# Altium PCB Motor_Controller_v2_1b.PcbDoc (part 1 of 2)
Units mil, origin at the board's own origin, x right, y up, seen from the top; angles counter-clockwise.
Board outline 5876 x 2101 mil, 2 copper layers (Top Layer, Bottom Layer); 253 components, 185 nets, 846 pads, 165 vias.
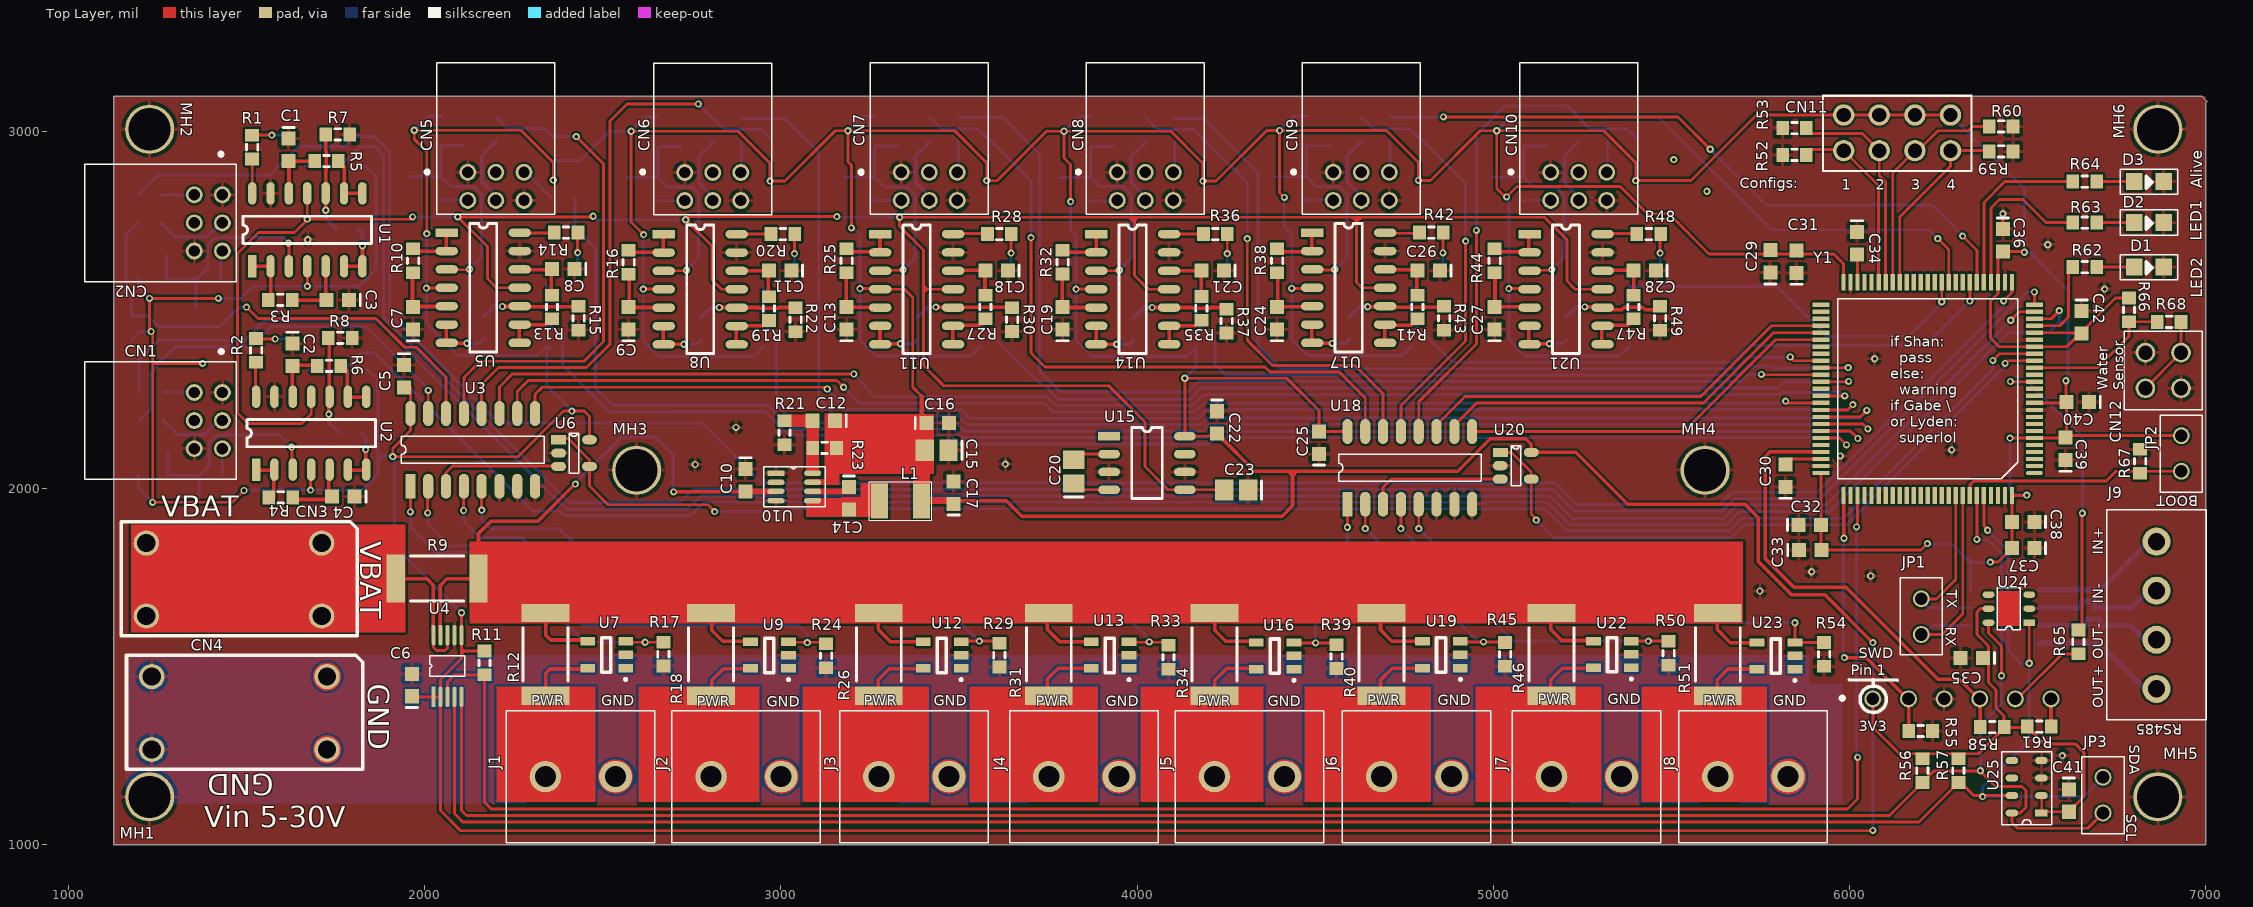
[diagram p0: Top Layer view]
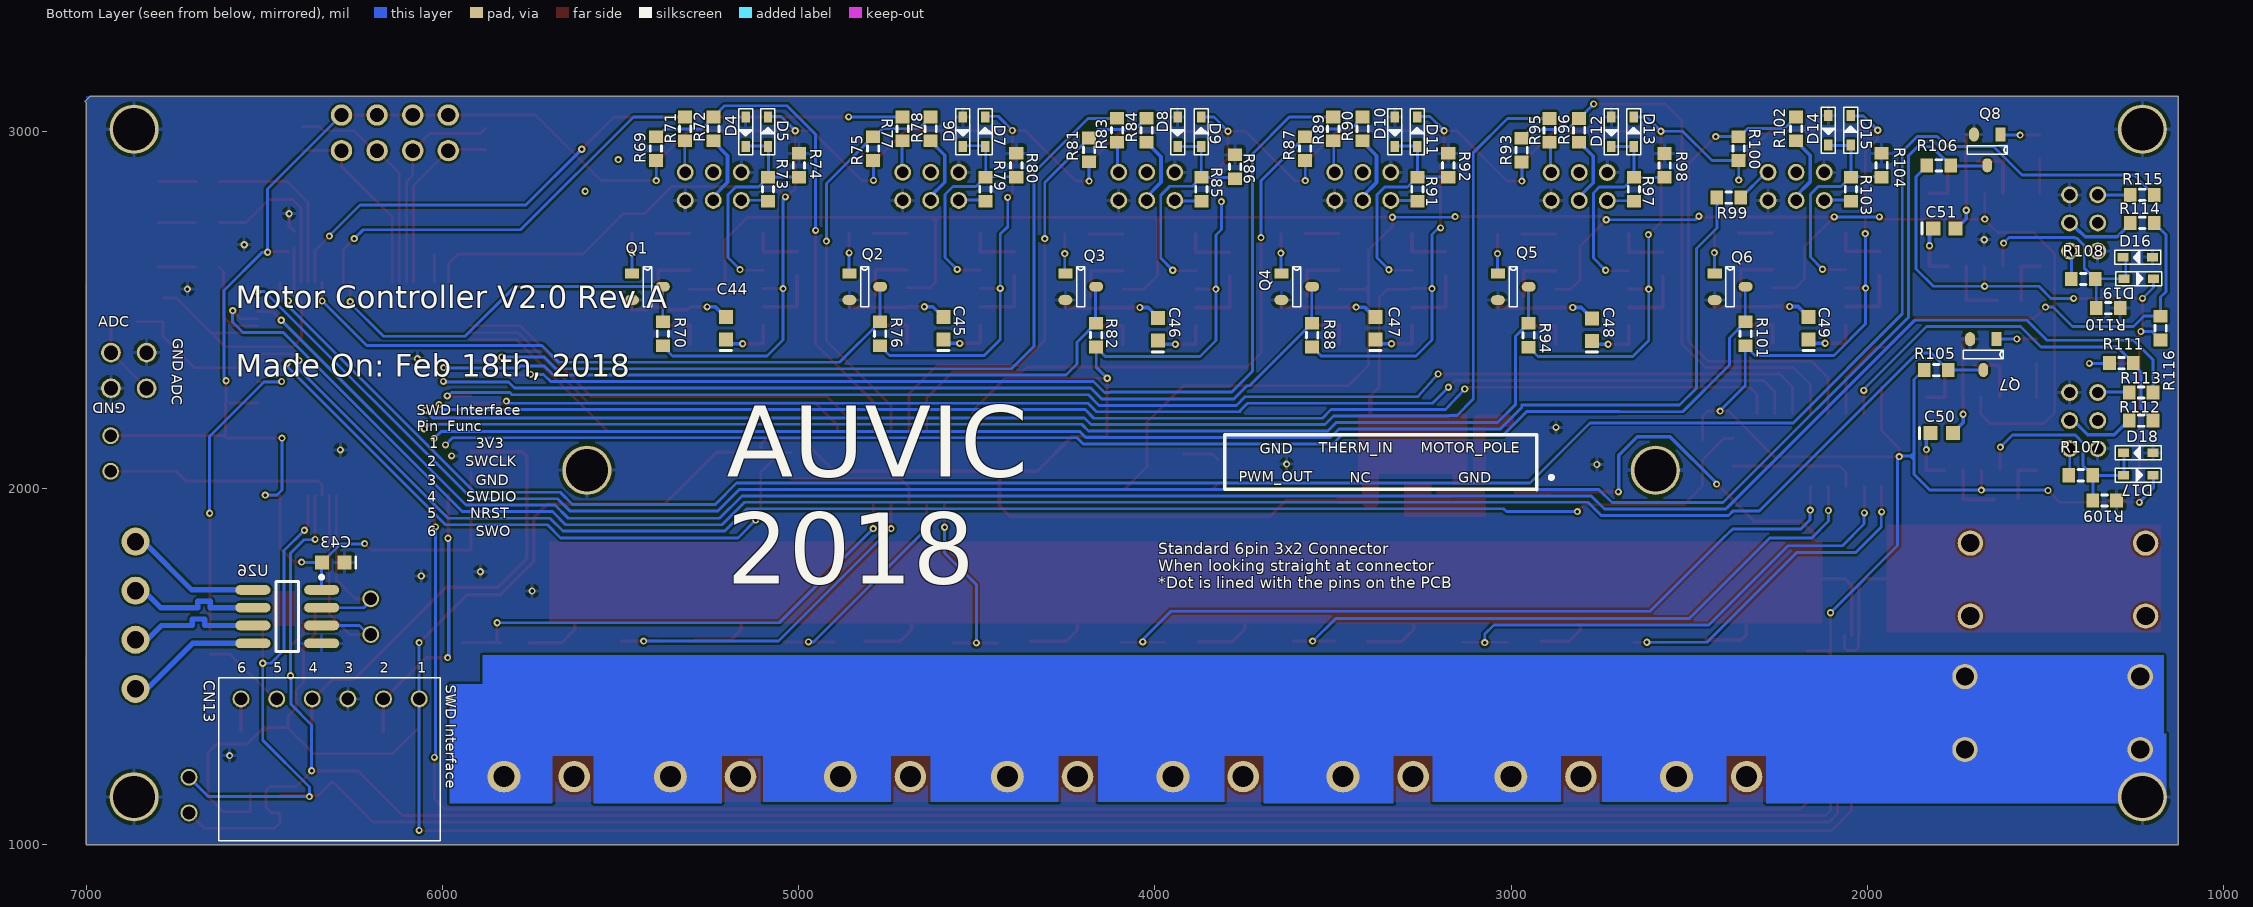
[diagram p1: Bottom Layer view, seen from below]
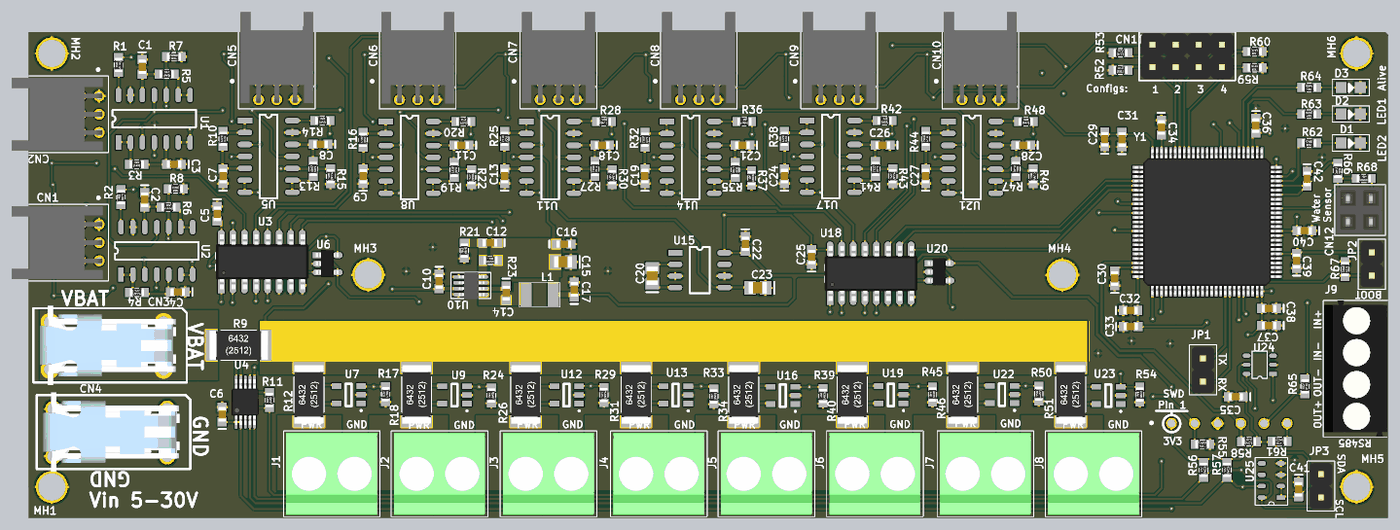
[diagram p3: 3D render of the assembled board from above, using the file's embedded part models]
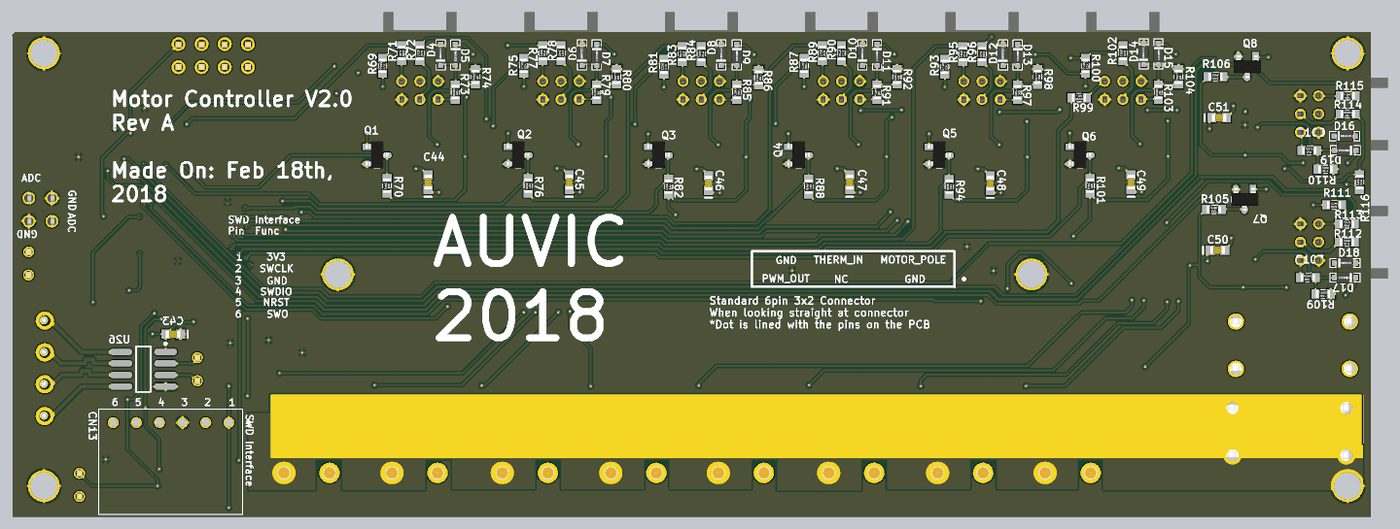
[diagram p4: 3D render of the assembled board from below, using the file's embedded part models]

## Layer stack, top to bottom
Top Solder: solder mask 0.4, Solder Resist, Dk 3.5
Top Layer: signal copper 1.4
Dielectric 1: dielectric 12.6, FR-4, Dk 4.8
Bottom Layer: signal copper 1.4
Bottom Solder: solder mask 0.4, Solder Resist, Dk 3.5

## Board outline
1128,999 1127,3100 6988,3100 7003,3085 7000,3082 7000,999

## Design rules (kind name [scope] priority, off if disabled: settings)
Clearance [All] p1: gap=6 ignorepadtopadclearanceinfootprint=FALSE except(0: Arc-Hole Track-Hole SMDPad-Hole THPad-Hole Via-Hole Fill-Hole Poly-Hole Region-Hole Text-Hole; 10: Arc-THPad Arc-Via Arc-Text Track-THPad Track-Via Track-Text SMDPad-THPad SMDPad-Via SMDPad-Text THPad-THPad THPad-Via THPad-Text Via-Via Via-Text Fill-Text Poly-Text Region-Text Text-Text)
DiffPairsRouting [All] p1: maxlimit=10 minlimit=10 mostfreqgap=10 toplayer_minwidth=15 toplayer_maxwidth=15 toplayer_prefwidth=15 bottomlayer_minwidth=15 bottomlayer_maxwidth=15 bottomlayer_prefwidth=15 maxuncoupledlength=500
HoleSize [All] p1: absolutevalues=TRUE maxlimit=2000 minlimit=1 maxpercent=80.000 minpercent=20.000
MinimumSolderMaskSliver [All] p1 off: minsoldermaskwidth=10
PolygonConnect [All] p1: connectstyle=Relief reliefconductorwidth=10 reliefentries=4 polygonreliefangle="90 Angle" airgapwidth=10
RoutingVias [All] p1: holewidth=28 width=50 viastyle="Through Hole" minholewidth=28 minwidth=50 maxholewidth=28 maxwidth=50
SilkToSilkClearance [All] p1 off: silktosilkclearance=10
SilkToSolderMaskClearance [IsPad] p1 off: minsilkscreentomaskgap=10 clearancetoexposedcopper=TRUE
SolderMaskExpansion [All] p1: expansion=4
Width [All] p1: maxlimit=5000 minlimit=6 preferedwidth=8
25 further rules are at their usual default settings.

## Classes and differential pairs
component class ADC_Sensors: C5 C25 CN12 R66 R68 U3 U6 U18 U20
component class I2C_Sensors: C6 C35 C41 JP3 R11 R56 R57 U4 U24 U25
component class Interface: C43 J9 JP1 U26
component class M1: C2 C4 C50 CN1 D17 D18 J1 Q7 R2 R4 R6 R8 R12 R17 R105 R107 R109 R111 R112 R113 U2 U7
component class M2: C1 C3 C51 CN2 D16 D19 J2 Q8 R1 R3 R5 R7 R18 R24 R106 R108 R110 R114 R115 R116 U1 U9
component class M3: C7 C8 C49 CN5 D14 D15 J3 Q6 R10 R13 R14 R15 R26 R29 R99 R100 R101 R102 R103 R104 U5 U12
component class M4: C9 C11 C48 CN6 D12 D13 J4 Q5 R16 R19 R20 R22 R31 R33 R93 R94 R95 R96 R97 R98 U8 U13
component class M5: C13 C18 C47 CN7 D10 D11 J5 Q4 R25 R27 R28 R30 R34 R39 R87 R88 R89 R90 R91 R92 U11 U16
component class M6: C19 C21 C46 CN8 D8 D9 J6 Q3 R32 R35 R36 R37 R40 R45 R81 R82 R83 R84 R85 R86 U14 U19
component class M7: C24 C26 C45 CN9 D6 D7 J7 Q2 R38 R41 R42 R43 R46 R50 R75 R76 R77 R78 R79 R80 U17 U22
component class M8: C27 C28 C44 CN10 D4 D5 J8 Q1 R44 R47 R48 R49 R51 R54 R69 R70 R71 R72 R73 R74 U21 U23
component class Micro: C29 C30 C31 C32 C33 C34 C36 C37 C38 C39 C40 C42 CN11 D1 D2 D3 JP2 MH1 MH2 MH3 MH4 MH5 MH6 R52 R53 R55 R58 R59 R60 R61 R62 R63 R64 R65 R67 Y1
component class Power: C10 C12 C14 C15 C16 C17 C20 C22 C23 CN3 CN4 L1 R9 R21 R23 U10 U15
net class Motor[1..8]: Motor1 Motor2 Motor3 Motor4 Motor5 Motor6 Motor7 Motor8
net class Motor_Curr_ADC[1..8]: Motor_Curr_ADC1 Motor_Curr_ADC2 Motor_Curr_ADC3 Motor_Curr_ADC4 Motor_Curr_ADC5 Motor_Curr_ADC6 Motor_Curr_ADC7 Motor_Curr_ADC8
net class Motor_Curr_Multpexer_Ctrl[1..3]: Motor_Curr_Multpexer_Ctrl1 Motor_Curr_Multpexer_Ctrl2 Motor_Curr_Multpexer_Ctrl3
net class RPM[1..8]: RPM1 RPM2 RPM3 RPM4 RPM5 RPM6 RPM7 RPM8
net class Temp_Multpexer_Ctrl[1..3]: Temp_Multpexer_Ctrl1 Temp_Multpexer_Ctrl2 Temp_Multpexer_Ctrl3
net class Therm_ADC[1..8]: Therm_ADC1 Therm_ADC2 Therm_ADC3 Therm_ADC4 Therm_ADC5 Therm_ADC6 Therm_ADC7 Therm_ADC8
channel class motor-connections-power: M1 M2 M3 M4 M5 M6 M7 M8
differential pair RS485_OUT: +RS485_OUT_P -RS485_OUT_N
differential pair RS485_IN: +RS485_IN_P -RS485_IN_N

## Components (designator, comment, footprint, x,y, rotation, side; value= is the part's Value field where it differs from the comment)
C1 "0.1uF, 50V, 10%, X7R, 1608" "CAPC1608N(0603\")" 1618.18,2949.17 r270 top (schematic designator C28)
C2 "0.1uF, 50V, 10%, X7R, 1608" "CAPC1608N(0603\")" 1629.18,2374.44 r270 top (schematic designator C28)
C3 "0.1uF, 50V, 10%, X7R, 1608" "CAPC1608N(0603\")" 1755.98,2527.91 r180 top (schematic designator C27)
C4 "0.1uF, 50V, 10%, X7R, 1608" "CAPC1608N(0603\")" 1772,1976 r180 top (schematic designator C27)
C5 "0.1μF" "CAPC1608N(0603\")" 1942,2314 r270 top value=0.1µF (schematic designator C45)
C6 "0.1μF" "CAPC1608N(0603\")" 1964,1447 r90 top value=0.1µF (schematic designator C35)
C7 "0.1uF, 50V, 10%, X7R, 1608" "CAPC1608N(0603\")" 1967.69,2476.59 r90 top (schematic designator C27)
C8 "0.1uF, 50V, 10%, X7R, 1608" "CAPC1608N(0603\")" 2388.95,2614.39 r180 top (schematic designator C28)
C9 "0.1uF, 50V, 10%, X7R, 1608" "CAPC1608N(0603\")" 2572.65,2476.25 r90 top (schematic designator C27)
C10 "1μF" "CAPC1608N(0603\")" 2901.14,2021.91 r270 top value=1µF (schematic designator C29)
C11 "0.1uF, 50V, 10%, X7R, 1608" "CAPC1608N(0603\")" 2997.85,2610.11 r180 top (schematic designator C28)
C12 "22pF" "CAPC1608N(0603\")" 3120.65,2188.81 r180 top (schematic designator C31)
C13 "0.1uF, 50V, 10%, X7R, 1608" "CAPC1608N(0603\")" 3184.23,2476.6 r90 top (schematic designator C27)
C14 "0.022uF" "CAPC1608N(0603\")" 3191,1971 r270 top (schematic designator C17)
C15 "22µF" "CAPC2012N(0805\")" 3437,2106 r180 top (schematic designator C22)
C16 "0.1μF" "CAPC1608N(0603\")" 3440,2183 r0 top value=0.1µF (schematic designator C28)
C17 "0.1μF" "CAPC1608N(0603\")" 3485,1987 r90 top value=0.1µF (schematic designator C27)
C18 "0.1uF, 50V, 10%, X7R, 1608" "CAPC1608N(0603\")" 3605.49,2610.46 r180 top (schematic designator C28)
C19 "0.1uF, 50V, 10%, X7R, 1608" "CAPC1608N(0603\")" 3790.53,2476.6 r90 top (schematic designator C27)
C20 "10µF" "CAPC2012N(0805\")" 3822,2046 r90 top (schematic designator C14)
C21 "0.1uF, 50V, 10%, X7R, 1608" "CAPC1608N(0603\")" 4211.79,2610.46 r180 top (schematic designator C28)
C22 "1μF" "CAPC1608N(0603\")" 4224,2184 r270 top value=1µF (schematic designator C8)
C23 "10µF" "CAPC2012N(0805\")" 4278,1994 r180 top (schematic designator C15)
C24 "0.1uF, 50V, 10%, X7R, 1608" "CAPC1608N(0603\")" 4392.89,2476.6 r90 top (schematic designator C27)
C25 "0.1μF" "CAPC1608N(0603\")" 4510.24,2127.32 r90 top value=0.1µF (schematic designator C44)
C26 "0.1uF, 50V, 10%, X7R, 1608" "CAPC1608N(0603\")" 4818.09,2610.46 r180 top (schematic designator C28)
C27 "0.1uF, 50V, 10%, X7R, 1608" "CAPC1608N(0603\")" 5003.13,2476.6 r90 top
C28 "0.1uF, 50V, 10%, X7R, 1608" "CAPC1608N(0603\")" 5424.39,2610.46 r180 top
C29 "0.1μF" "CAPC1608N(0603\")" 5777,2636 r90 top value=0.1µF (schematic designator C6)
C30 "2.2µF" "CAPC1608N(0603\")" 5820,2034.5 r90 top (schematic designator C2)
C31 "0.1μF" "CAPC1608N(0603\")" 5851,2635 r90 top value=0.1µF (schematic designator C5)
C32 "1μF" "CAPC1608N(0603\")" 5888.26,1896.47 r0 top value=1µF (schematic designator C23)
C33 "1μF" "CAPC1608N(0603\")" 5889.26,1826.47 r0 top value=1µF (schematic designator C21)
C34 "2.2µF" "CAPC1608N(0603\")" 6021,2687 r270 top (schematic designator C1)
C35 "0.1μF" "CAPC1608N(0603\")" 6343,1523 r180 top value=0.1µF (schematic designator C34)
C36 "0.1μF" "CAPC1608N(0603\")" 6430,2695 r270 top value=0.1µF (schematic designator C18)
C37 "0.1μF" "CAPC1608N(0603\")" 6486.76,1831 r180 top value=0.1µF (schematic designator C3)
C38 "0.1μF" "CAPC1608N(0603\")" 6486.76,1905 r180 top value=0.1µF (schematic designator C19)
C39 "1μF" "CAPC1608N(0603\")" 6606,2110 r90 top value=1µF (schematic designator C7)
C40 "0.1μF" "CAPC1608N(0603\")" 6640,2241 r180 top value=0.1µF (schematic designator C4)
C41 "0.1μF" "CAPC1608N(0603\")" 6614.95,1122.86 r270 top value=0.1µF (schematic designator C33)
C42 "0.1μF" "CAPC1608N(0603\")" 6651,2465 r270 top value=0.1µF (schematic designator C20)
C43 "0.1μF" "CAPC1608N(0603\")" 6306,1791 r0 bottom value=0.1µF (schematic designator C46)
C44 "0.1uF, 50V, 10%, X7R, 1608" "CAPC1608N(0603\")" 5203.91,2449.04 r90 bottom
C45 "0.1uF, 50V, 10%, X7R, 1608" "CAPC1608N(0603\")" 4593.68,2449.04 r90 bottom (schematic designator C44)
C46 "0.1uF, 50V, 10%, X7R, 1608" "CAPC1608N(0603\")" 3991.32,2445.1 r90 bottom (schematic designator C44)
C47 "0.1uF, 50V, 10%, X7R, 1608" "CAPC1608N(0603\")" 3381.08,2449.04 r90 bottom (schematic designator C44)
C48 "0.1uF, 50V, 10%, X7R, 1608" "CAPC1608N(0603\")" 2773.44,2444.76 r90 bottom (schematic designator C44)
C49 "0.1uF, 50V, 10%, X7R, 1608" "CAPC1608N(0603\")" 2164.54,2449.03 r90 bottom (schematic designator C44)
C50 "0.1uF, 50V, 10%, X7R, 1608" "CAPC1608N(0603\")" 1790.6,2153.97 r180 bottom (schematic designator C44)
C51 "0.1uF, 50V, 10%, X7R, 1608" "CAPC1608N(0603\")" 1783.54,2728.7 r180 bottom (schematic designator C44)
CN1 "2x3 Shrouded RT Ang" "HEADER, MALE, SHROUDED, 6POS, 2MM, RT ANG,THT" 1353.59,2189.4 r90 top (schematic designator CN10)
CN2 "2x3 Shrouded RT Ang" "HEADER, MALE, SHROUDED, 6POS, 2MM, RT ANG,THT" 1353.59,2744.13 r90 top (schematic designator CN10)
CN3 "10-14 AWG, 41A" "1X1, PHOENIX CONTACT 1704837,THT" 1711,1845.39 r180 top (schematic designator CN4)
CN4 "10-14 AWG, 41A" "1X1, PHOENIX CONTACT 1704837,THT" 1726.13,1470.72 r180 top (schematic designator CN5)
CN5 "2x3 Shrouded RT Ang" "HEADER, MALE, SHROUDED, 6POS, 2MM, RT ANG,THT" 2199.98,2886.04 r0 top (schematic designator CN10)
CN6 "2x3 Shrouded RT Ang" "HEADER, MALE, SHROUDED, 6POS, 2MM, RT ANG,THT" 2808.87,2885.7 r0 top (schematic designator CN10)
CN7 "2x3 Shrouded RT Ang" "HEADER, MALE, SHROUDED, 6POS, 2MM, RT ANG,THT" 3416.51,2886.05 r0 top (schematic designator CN10)
CN8 "2x3 Shrouded RT Ang" "HEADER, MALE, SHROUDED, 6POS, 2MM, RT ANG,THT" 4022.81,2886.05 r0 top (schematic designator CN10)
CN9 "2x3 Shrouded RT Ang" "HEADER, MALE, SHROUDED, 6POS, 2MM, RT ANG,THT" 4629.11,2886.05 r0 top (schematic designator CN10)
CN10 "2x3 Shrouded RT Ang" "HEADER, MALE, SHROUDED, 6POS, 2MM, RT ANG,THT" 5239.35,2886.05 r0 top
CN11 "Header, Male, 2x4, Pitch: 0.1\" (2.54mm), THT" "Header, Male, 2x4, Pitch: 0.1\" (2.54mm),THT" 6083,3047 r0 top (schematic designator CN2)
CN12 "Header Female 1x2" "HEADER, FEMALE, 2X2, THT" 6830,2380 r270 top (schematic designator CN6)
CN13 "Header Female 1x6 THT RT" "HEADER, FEMALE, RT ANG, 0.1\", 1X6" 6065,1408 r0 bottom (schematic designator CN1)
D1 "Blue" LED0805 6840,2620 r0 top (schematic designator D5)
D2 "Red" LED0805 6840,2745 r0 top
D3 "Green" LED0805 6840,2860 r0 top (schematic designator D4)
D4 "CUS08F30H3FCT-ND" SC-76 5148.8,3000.22 r270 bottom
D5 "CUS08F30H3FCT-ND" SC-76 5085.8,3000.22 r90 bottom
D6 "CUS08F30H3FCT-ND" SC-76 4538.56,3000.22 r270 bottom (schematic designator D4)
D7 "CUS08F30H3FCT-ND" SC-76 4475.57,3000.22 r90 bottom (schematic designator D5)
D8 "CUS08F30H3FCT-ND" SC-76 3936.2,3000.22 r270 bottom (schematic designator D4)
D9 "CUS08F30H3FCT-ND" SC-76 3869.27,3000.22 r90 bottom (schematic designator D5)
D10 "CUS08F30H3FCT-ND" SC-76 3325.96,3000.22 r270 bottom (schematic designator D4)
D11 "CUS08F30H3FCT-ND" SC-76 3262.97,3000.22 r90 bottom (schematic designator D5)
D12 "CUS08F30H3FCT-ND" SC-76 2718.32,2999.87 r270 bottom (schematic designator D4)
D13 "CUS08F30H3FCT-ND" SC-76 2655.33,2999.87 r90 bottom (schematic designator D5)
D14 "CUS08F30H3FCT-ND" SC-76 2109.43,3004.15 r270 bottom (schematic designator D4)
D15 "CUS08F30H3FCT-ND" SC-76 2046.43,3004.15 r90 bottom (schematic designator D5)
D16 "CUS08F30H3FCT-ND" SC-76 1241,2648 r0 bottom (schematic designator D4)
D17 "CUS08F30H3FCT-ND" SC-76 1239.42,2035.86 r180 bottom (schematic designator D5)
D18 "CUS08F30H3FCT-ND" SC-76 1239.42,2098.85 r0 bottom (schematic designator D4)
D19 "CUS08F30H3FCT-ND" SC-76 1238,2587 r180 bottom (schematic designator D5)
J1 "2x1 Term Block" "2X1 TERMINAL BLOCKS PHOENIX CONTACT 5MM" 2535.85,1190 r180 top (schematic designator J8)
J2 "2x1 Term Block" "2X1 TERMINAL BLOCKS PHOENIX CONTACT 5MM" 3000.85,1190 r180 top (schematic designator J8)
J3 "2x1 Term Block" "2X1 TERMINAL BLOCKS PHOENIX CONTACT 5MM" 3471.85,1190 r180 top (schematic designator J8)
J4 "2x1 Term Block" "2X1 TERMINAL BLOCKS PHOENIX CONTACT 5MM" 3948.85,1190 r180 top (schematic designator J8)
J5 "2x1 Term Block" "2X1 TERMINAL BLOCKS PHOENIX CONTACT 5MM" 4413.85,1190 r180 top (schematic designator J8)
J6 "2x1 Term Block" "2X1 TERMINAL BLOCKS PHOENIX CONTACT 5MM" 4882.85,1190 r180 top (schematic designator J8)
J7 "2x1 Term Block" "2X1 TERMINAL BLOCKS PHOENIX CONTACT 5MM" 5359.85,1190 r180 top (schematic designator J8)
J8 "2x1 Term Block" "2X1 TERMINAL BLOCKS PHOENIX CONTACT 5MM" 5826.85,1190 r180 top
J9 "2x1 Term Block" "4X1 TERMINAL BLOCK" 6861,1643 r270 top (schematic designator J12)
JP1 "1X2 Pin Head" "2X1 MALES HEADER" 6201,1688.95 r270 top (schematic designator JP3)
JP2 "1X2 Pin Head" "2X1 MALES HEADER" 6931,2047 r90 top (schematic designator JP1)
JP3 "1X2 Pin Head" "2X1 Males Header" 6711,1088 r90 top
L1 "33µH" "CB - 1007 (2518)" 3336,1964 r0 top
MH1 "3mm" Mount-Hole_3mm 1228,1133 r0 top (schematic designator MH6)
MH2 "3mm" MOUNT-HOLE_3MM 1228,3007 r0 top
MH3 "3mm" MOUNT-HOLE_3MM 2595,2050 r0 top (schematic designator MH1)
MH4 "3mm" MOUNT-HOLE_3MM 5594,2050 r0 top (schematic designator MH3)
MH5 "3mm" Mount-Hole_3mm 6865,1133 r0 top
MH6 "3mm" MOUNT-HOLE_3MM 6865,3007 r0 top (schematic designator MH4)
Q1 "BC846B,215" SOT-23 5463.76,2602.58 r180 bottom
Q2 "BC846B,215" SOT-23 4853.52,2602.58 r180 bottom (schematic designator Q1)
Q3 "BC846B,215" SOT-23 4247.22,2602.58 r180 bottom (schematic designator Q1)
Q4 "BC846B,215" SOT-23 3640.92,2602.58 r180 bottom (schematic designator Q1)
Q5 "BC846B,215" SOT-23 3033.28,2602.24 r180 bottom (schematic designator Q1)
Q6 "BC846B,215" SOT-23 2424.39,2602.57 r180 bottom (schematic designator Q1)
Q7 "BC846B,215" SOT-23 1637.06,2413.81 r270 bottom (schematic designator Q1)
Q8 "BC846B,215" SOT-23 1626.06,2988.54 r270 bottom (schematic designator Q1)
R1 "100k" "RESC1608N(0603\")" 1515.82,2957.05 r90 top (schematic designator R48)
R2 "100k" "RESC1608N(0603\")" 1526.82,2386.25 r90 top (schematic designator R48)
R3 "11k" "RESC1608N(0603\")" 1594.56,2527.91 r0 top (schematic designator R44)
R4 "11k" "RESC1608N(0603\")" 1596,1974 r0 top (schematic designator R44)
R5 "16k" "RESC1608N(0603\")" 1724.48,2917.68 r0 top (schematic designator R47)
R6 "16k" "RESC1608N(0603\")" 1731.54,2342.94 r0 top (schematic designator R47)
R7 "16k" "RESC1608N(0603\")" 1755.98,2992.48 r180 top (schematic designator R49)
R8 "16k" "RESC1608N(0603\")" 1763.04,2421.68 r180 top (schematic designator R49)
R9 "0R0005" "RESC6332N(2512\")" 2035,1746 r0 top (schematic designator R4)
R10 "11k" "RESC1608N(0603\")" 1967.69,2638.01 r270 top (schematic designator R44)
R11 "10k" "RESC1608N(0603\")" 2168,1509 r90 top (schematic designator R12)
R12 "0R005" "RESC6332N(2512\")" 2339,1533 r90 top (schematic designator R51)
R13 "16k" "RESC1608N(0603\")" 2357.46,2508.09 r270 top (schematic designator R47)
R14 "100k" "RESC1608N(0603\")" 2396.83,2716.75 r0 top (schematic designator R48)
R15 "16k" "RESC1608N(0603\")" 2432.26,2476.59 r90 top (schematic designator R49)
R16 "11k" "RESC1608N(0603\")" 2572.65,2633.73 r270 top (schematic designator R44)
R17 "20kR" "RESC1608N(0603\")" 2670,1534 r90 top (schematic designator R54)
R18 "0R005" "RESC6332N(2512\")" 2804,1533 r90 top (schematic designator R51)
R19 "16k" "RESC1608N(0603\")" 2966.35,2503.81 r270 top (schematic designator R47)
R20 "100k" "RESC1608N(0603\")" 3005.72,2712.47 r0 top (schematic designator R48)
R21 "200k" "RESC1608N(0603\")" 3010,2155 r90 top (schematic designator R7)
R22 "16k" "RESC1608N(0603\")" 3041.15,2472.31 r90 top (schematic designator R49)
R23 "324k" "RESC1608N(0603\")" 3122.61,2112.81 r0 top (schematic designator R6)
R24 "20kR" "RESC1608N(0603\")" 3127,1529 r90 top (schematic designator R54)
R25 "11k" "RESC1608N(0603\")" 3184.23,2638.02 r270 top (schematic designator R44)
R26 "0R005" "RESC6332N(2512\")" 3275,1533 r90 top (schematic designator R51)
R27 "16k" "RESC1608N(0603\")" 3573.99,2508.09 r270 top (schematic designator R47)
R28 "100k" "RESC1608N(0603\")" 3613.36,2712.82 r0 top (schematic designator R48)
R29 "20kR" "RESC1608N(0603\")" 3613,1531 r90 top (schematic designator R54)
R30 "16k" "RESC1608N(0603\")" 3648.8,2472.66 r90 top (schematic designator R49)
R31 "0R005" "RESC6332N(2512\")" 3752,1533 r90 top (schematic designator R51)
R32 "11k" "RESC1608N(0603\")" 3790.53,2634.08 r270 top (schematic designator R44)
R33 "20kR" "RESC1608N(0603\")" 4088,1525 r90 top (schematic designator R54)
R34 "0R005" "RESC6332N(2512\")" 4217,1533 r90 top (schematic designator R51)
R35 "16k" "RESC1608N(0603\")" 4180.29,2504.16 r270 top (schematic designator R47)
R36 "100k" "RESC1608N(0603\")" 4219.66,2712.82 r0 top (schematic designator R48)
R37 "16k" "RESC1608N(0603\")" 4251.16,2468.72 r90 top (schematic designator R49)
R38 "11k" "RESC1608N(0603\")" 4392.89,2638.02 r270 top (schematic designator R44)
R39 "20kR" "RESC1608N(0603\")" 4560,1527 r90 top (schematic designator R54)
R40 "0R005" "RESC6332N(2512\")" 4686,1533 r90 top (schematic designator R51)
R41 "16k" "RESC1608N(0603\")" 4786.59,2508.09 r270 top (schematic designator R47)
R42 "100k" "RESC1608N(0603\")" 4825.96,2716.76 r0 top (schematic designator R48)
R43 "16k" "RESC1608N(0603\")" 4861.39,2476.6 r90 top (schematic designator R49)
R44 "11k" "RESC1608N(0603\")" 5003.13,2638.02 r270 top
R45 "20kR" "RESC1608N(0603\")" 5033,1533 r90 top (schematic designator R54)
R46 "0R005" "RESC6332N(2512\")" 5163,1533 r90 top (schematic designator R51)
R47 "16k" "RESC1608N(0603\")" 5392.89,2508.09 r270 top
R48 "100k" "RESC1608N(0603\")" 5436.2,2712.82 r0 top
R49 "16k" "RESC1608N(0603\")" 5467.69,2476.6 r90 top
R50 "20kR" "RESC1608N(0603\")" 5492,1536 r90 top (schematic designator R54)
R51 "0R005" "RESC6332N(2512\")" 5630,1533 r90 top
R52 "10k" "RESC1608N(0603\")" 5845,2935 r0 top (schematic designator R31)